# Altium PCB PCB1.PcbDoc (part 1 of 2)
Units mm, origin at the board's own origin, x right, y up, seen from the top; angles counter-clockwise.
Board outline 59.4 x 101.17 mm, 4 copper layers (Top Layer, Layer 1, Layer 2, Bottom Layer), stack 0.815 mm thick; 147 components, 75 nets, 963 pads, 627 vias.
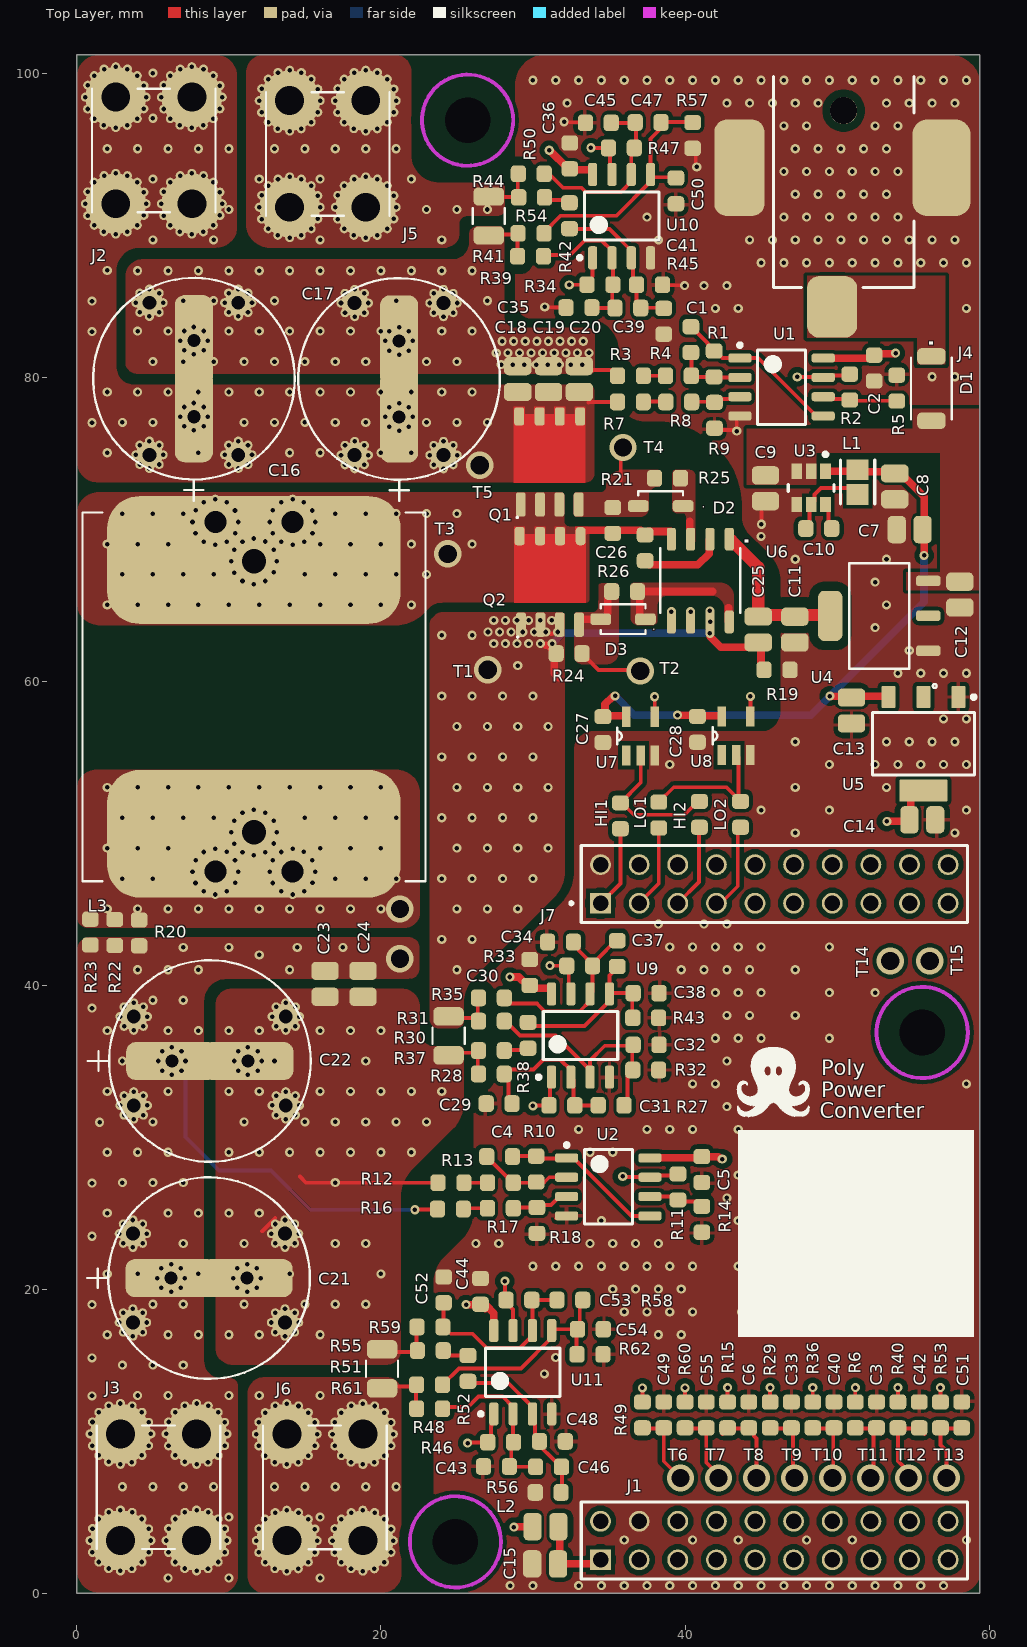
[diagram p0: Top Layer view]
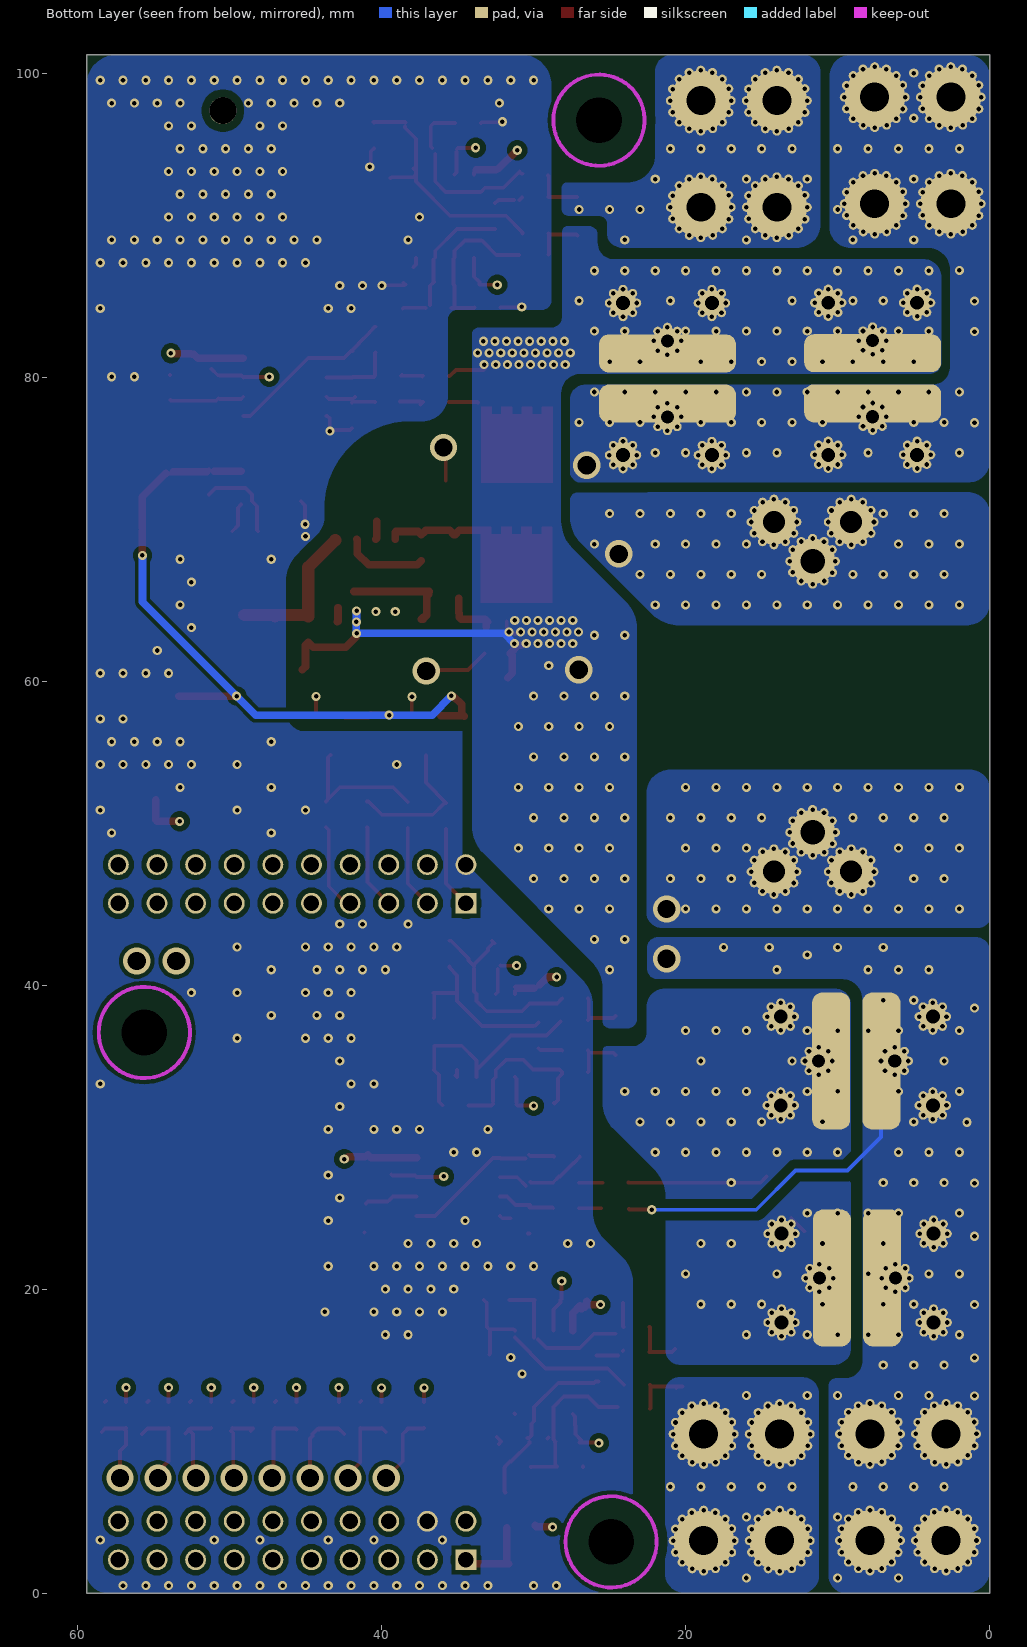
[diagram p1: Bottom Layer view, seen from below]
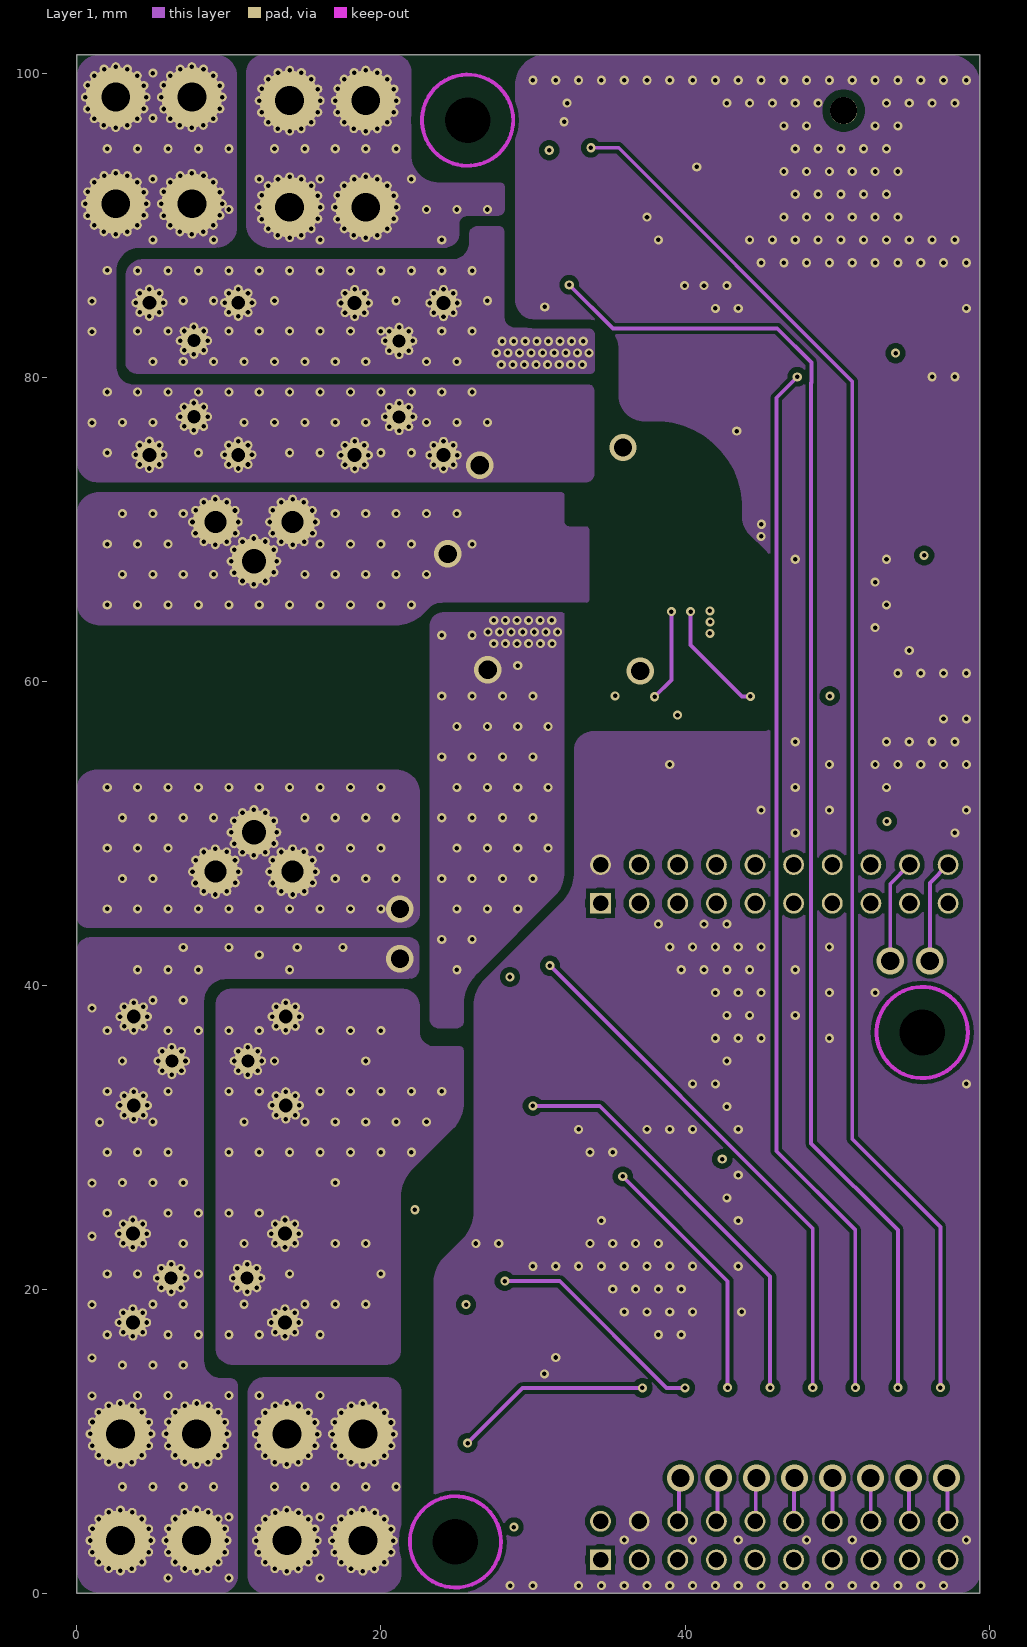
[diagram p2: Layer 1]
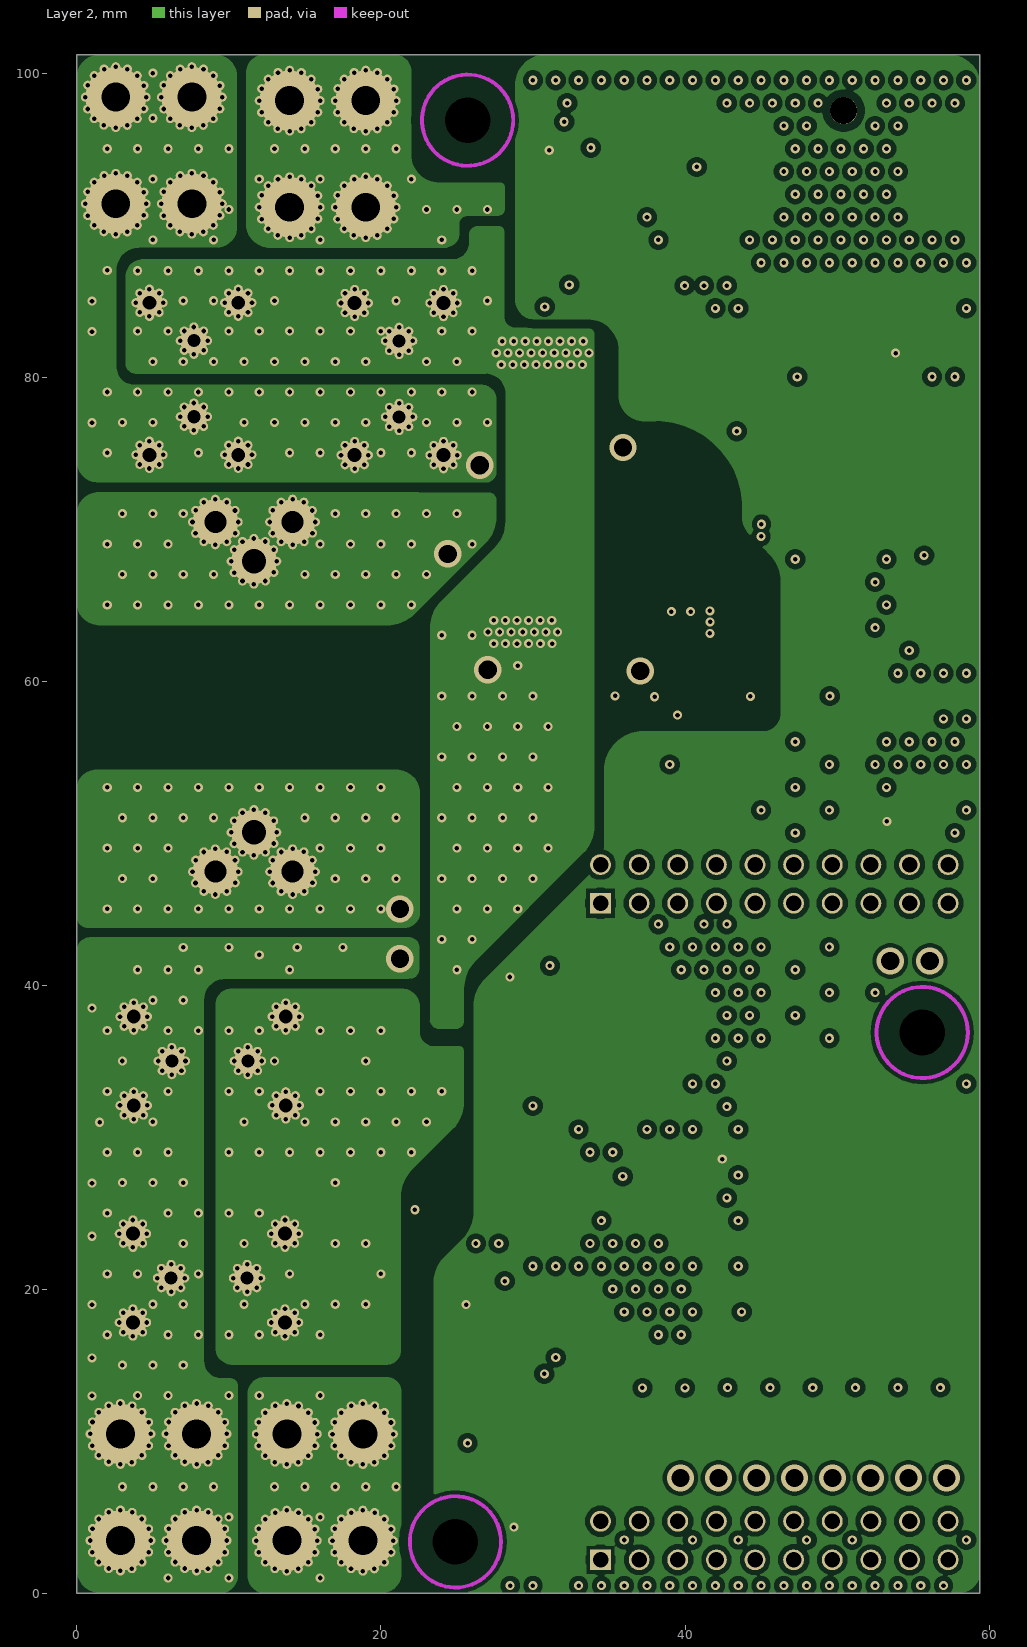
[diagram p3: Layer 2]

## Layer stack, top to bottom
Top Solder: solder mask 0.0102, Solder Resist, Dk 3.5
Top Layer: signal copper 0.07
Dielectric 4: prepreg 0.0711, PP-006, Dk 4.1
Layer 1: signal copper 0.035
Dielectric 2: prepreg 0.0711, PP-006, Dk 4.1
Dielectric 1: dielectric 0.32, FR-4, Dk 4.8
Dielectric 3: prepreg 0.0711, PP-006, Dk 4.1
Layer 2: signal copper 0.035
Dielectric 5: prepreg 0.0711, PP-006, Dk 4.1
Bottom Layer: signal copper 0.07
Bottom Solder: solder mask 0.0102, Solder Resist, Dk 3.5

## Board outline
59.4,101.2 59.4,0.025 0,0.025 0,101.2

## Design rules (kind name [scope] priority, off if disabled: settings)
Clearance "Schematic Clearance Constraint_12" [InNet('GND')] p1: gap=0.6 ignorepadtopadclearanceinfootprint=FALSE
Clearance "Schematic Clearance Constraint_11" [InNet('V4')] p2: gap=0.6 ignorepadtopadclearanceinfootprint=FALSE
Clearance "Schematic Clearance Constraint_10" [InNet('V1')] p3: gap=0.6 ignorepadtopadclearanceinfootprint=FALSE
Clearance "Schematic Clearance Constraint_9" [InNet('V2')] p4: gap=0.6 ignorepadtopadclearanceinfootprint=FALSE
Clearance "Schematic Clearance Constraint" [InNet('V3')] p5: gap=0.6 ignorepadtopadclearanceinfootprint=FALSE
Clearance "Stitching GND_AD" [IsStitchingVia and InNet('GND_AD') vs (IsVia and (Not IsStitchingVia)) Or IsPad] p6: gap=0.127 ignorepadtopadclearanceinfootprint=FALSE
Clearance "Schematic Clearance Constraint_3" [InNet('HO_2')] p7: gap=0.6 ignorepadtopadclearanceinfootprint=FALSE
Clearance "Schematic Clearance Constraint_1" [InNet('12V')] p8: gap=0.6 ignorepadtopadclearanceinfootprint=FALSE
Clearance "Schematic Clearance Constraint_6" [InNet('NetC26_1')] p9: gap=0.6 ignorepadtopadclearanceinfootprint=FALSE
Clearance "Schematic Clearance Constraint_5" [InNet('V2')] p10: gap=0.6 ignorepadtopadclearanceinfootprint=FALSE
Clearance "Schematic Clearance Constraint_8" [InNet('LO_1')] p11: gap=0.6 ignorepadtopadclearanceinfootprint=FALSE
Clearance "Schematic Clearance Constraint_7" [InNet('HS')] p12: gap=0.6 ignorepadtopadclearanceinfootprint=FALSE
Clearance "Schematic Clearance Constraint_4" [InNet('NetL3_1')] p13: gap=0.6 ignorepadtopadclearanceinfootprint=FALSE
Clearance "Schematic Clearance Constraint_2" [InNet('NetC24_1')] p14: gap=0.6 ignorepadtopadclearanceinfootprint=FALSE
Clearance "Schematic Clearance Constraint_20" [InNet('GND_P')] p15: gap=0.6 ignorepadtopadclearanceinfootprint=FALSE
Clearance "Schematic Clearance Constraint_19" [InNet('LO_2')] p16: gap=0.6 ignorepadtopadclearanceinfootprint=FALSE
Clearance "Schematic Clearance Constraint_18" [InNet('HO_1')] p17: gap=0.6 ignorepadtopadclearanceinfootprint=FALSE
Clearance "Stitching IL" [IsStitchingVia and InNet('IL') vs (IsVia and (Not IsStitchingVia)) Or IsPad] p18: gap=0.127 ignorepadtopadclearanceinfootprint=FALSE
Clearance [All] p19: gap=0.254 ignorepadtopadclearanceinfootprint=FALSE except(0.5: Arc-Via Arc-Hole Track-Via Track-Hole SMDPad-Via SMDPad-Hole THPad-Via THPad-Hole Via-Via Via-Hole Fill-Hole Poly-Hole Region-Hole Text-Hole)
ComponentClearance [All] p1: gap=0 collisioncheckmode=3 verticalgap=0 showdistances=FALSE
Height [All] p1: minheight=0 maxheight=50.8 prefheight=50.8
PolygonConnect [All] p1: connectstyle=Direct reliefconductorwidth=0.254 reliefentries=4 polygonreliefangle="90 Angle" airgapwidth=0.254
RoutingVias [All] p1: holewidth=0.3 width=0.6 viastyle="Through Hole" minholewidth=0.2 minwidth=0.4 maxholewidth=6.3 maxwidth=6.35
SolderMaskExpansion [All] p1: expansion=0.102 istentingtop=FALSE
Width [All] p1: maxlimit=2 minlimit=0.127 preferedwidth=0.254
28 further rules are at their usual default settings.

## Classes and differential pairs
component class "Voltage Regulators": C7 C8 C9 C10 C11 C12 C13 C14 C15 L1 L2 R19 U3 U4 U5
component class "Switches and Gate Driver": C16 C17 C18 C19 C20 C21 C22 C23 C24 C25 C26 C27 C28 D2 D3 L3 Q1 Q2 R20 R21 R22 R23 R24 R25 R26 U6 U7 U8
component class "Current Sensing": C29 C30 C31 C32 C33 C34 C35 C36 C37 C38 C39 C40 C41 C42 C43 C44 C45 C46 C47 C48 C49 C50 C51 C52 C53 C54 C55 R27 R28 R29 R30 R31 R32 R33 R34 R35 R36 R37 R38 R39 R40 R41 R42 R43 R44 R45 R46 R47 R48 R49 R50 R51 R52 R53 R54 R55 R56 R57 R58 R59 R60 R61 R62 U9 U10 U11
component class "Voltage Sensing": C1 C2 C3 C4 C5 C6 R1 R2 R3 R4 R5 R6 R7 R8 R9 R10 R11 R12 R13 R14 R15 R16 R17 R18 U1 U2
component class Connectors: D1 HI1 HI2 J1 J2 J3 J4 J5 J6 J7 LO1 LO2

## Components (designator, comment, footprint, x,y, rotation, side; value= is the part's Value field where it differs from the comment)
C1 "CC0603MRX7R8BB104" 0603 40.387,82.469 r90 top
C2 "CL10B105KA8NFNC" 0603 52.437,80.594 r270 top
C3 "CC0603MRX7R8BB104" 0603 52.6,11.75 r90 top
C4 "CC0603MRX7R8BB104" 0603 27.81,28.74 r0 top
C5 "CL10B105KA8NFNC" 0603 41.11,27.891 r270 top
C6 "CC0603MRX7R8BB104" 0603 44.2,11.75 r90 top
C7 "CL21A226MAYNNNE" 0805 54.775,69.975 r90 top
C8 "CL21A226MAYNNNE" 0805 53.795,72.816 r180 top
C9 "TMK212BBJ106KG-T" 0805 45.295,72.691 r180 top
C10 "CC0603MRX7R8BB104" 0603 48.795,70.041 r180 top
C11 "TMK212BBJ106KG-T" 0805 47.225,63.4 r180 top
C12 "CL21A226MAYNNNE" 0805 58.075,65.7 r180 top
C13 "TMK212BBJ106KG-T" 0805 50.95,58.075 r180 top
C14 "TMK212BBJ106KG-T" 0805 55.606,50.886 r270 top
C15 "TMK212BBJ106KG-T" 0805 30.8,1.95 r90 top
C16 "100ZLJ82M10X16" CAP_YX_10X16_RUB 7.7,77.4 r90 top
C17 "100ZLJ82M10X16" CAP_YX_10X16_RUB 21.196,77.382 r90 top
C18 "C2012X5R2A475K125AC" 0805 29,79.875 r0 top
C19 "C2012X5R2A475K125AC" 0805 31.025,79.875 r0 top
C20 "C2012X5R2A475K125AC" 0805 33.05,79.875 r0 top
C21 "100ZLJ82M10X16" CAP_YX_10X16_RUB 6.2,20.75 r0 top
C22 "100ZLJ82M10X16" CAP_YX_10X16_RUB 6.25,35.025 r0 top
C23 "GRM21BD72A225ME01L" 0805 16.325,40.1 r180 top
C24 "GRM21BD72A225ME01L" 0805 18.825,40.1 r180 top
C25 "TMK212BBJ106KG-T" 0805 44.815,63.403 r180 top
C26 "CL10B105KA8NFNC" 0603 37.375,68.775 r90 top
C27 "CL10B105KA8NFNC" 0603 34.6,56.825 r270 top
C28 "CL10B105KA8NFNC" 0603 40.816,56.838 r270 top
C29 "06031C101KAT2A" 0603 27.775,32.225 r0 top
C30 "CL10B105KA8NFNC" 0603 29.786,40.851 r90 top
C31 "06031C101KAT2A" 0603 35.141,32.113 r0 top
C32 "06031C101KAT2A" 0603 37.441,36.088 r0 top
C33 "CC0603MRX7R8BB104" 0603 47,11.75 r90 top
C34 "06031C101KAT2A" 0603 31.811,42.851 r0 top
C35 "06031C101KAT2A" 0603 33.025,84.575 r0 top
C36 "CL10B105KA8NFNC" 0603 32.425,94.55 r90 top
C37 "06031C101KAT2A" 0603 35.541,42.088 r270 top
C38 "06031C101KAT2A" 0603 37.441,39.488 r0 top
C39 "06031C101KAT2A" 0603 36.24,84.547 r0 top
C40 "CC0603MRX7R8BB104" 0603 49.8,11.75 r90 top
C41 "06031C101KAT2A" 0603 37.665,86.072 r0 top
C42 "CC0603MRX7R8BB104" 0603 55.4,11.75 r90 top
C43 "06031C101KAT2A" 0603 27.6,8.358 r0 top
C44 "CL10B105KA8NFNC" 0603 26.55,19.875 r90 top
C45 "06031C101KAT2A" 0603 34.3,96.725 r0 top
C46 "06031C101KAT2A" 0603 31.025,8.333 r0 top
C47 "06031C101KAT2A" 0603 37.575,96.75 r0 top
C48 "06031C101KAT2A" 0603 31.275,10.008 r0 top
C49 "CC0603MRX7R8BB104" 0603 38.6,11.75 r90 top
C50 "06031C101KAT2A" 0603 39.4,92.25 r270 top
C51 "CC0603MRX7R8BB104" 0603 58.2,11.75 r90 top
C52 "06031C101KAT2A" 0603 24.125,19.975 r270 top
C53 "06031C101KAT2A" 0603 32.425,19.308 r0 top
C54 "06031C101KAT2A" 0603 33.775,17.383 r0 top
C55 "CC0603MRX7R8BB104" 0603 41.4,11.75 r90 top
D1 "CMS01(TE12L,Q,M)" M-FLAT_TOS 56.2,79.25 r270 top
D2 "PMEG3010EH" SOD123F_NXP 38.4,71.525 r180 top
D3 "PMEG3010EH" SOD123F_NXP 35.926,64.083 r180 top
HI1 "AC0603FR-070RL" 0603 35.75,51.15 r270 top
HI2 "AC0603FR-070RL" 0603 40.95,51.25 r270 top
J1 "MTSW-110-10-L-D-310" SAMTEC_MTSW-110-10-L-D-310 34.445,2.22 r0 top
J2 "7691" CONN_8191_KEY 2.561,91.404 r90 top
J3 "7691" CONN_8191_KEY 2.871,3.49 r90 top
J4 "RASM722PTR13X" FP-RASM722PTR13X-MFG 50.435,93.275 r180 top
J5 "7691" CONN_8191_KEY 14,91.175 r90 top
J6 "7691" CONN_8191_KEY 13.811,3.481 r90 top
J7 "MTSW-110-10-L-D-310" SAMTEC_MTSW-110-10-L-D-310 34.445,45.4 r0 top
L1 "MLZ2012M4R7WT000" FP-MLZ2012-0_85-IPC_B 51.35,73.1 r90 top
L2 "MLZ2012DR47DT000" 0805 30.825,4.4 r90 top
L3 "PA4349.683ANLT" IND_PA4349.683ANLT_PUL 11.65,58.975 r90 top
LO1 "AC0603FR-070RL" 0603 38.275,51.2 r270 top
LO2 "AC0603FR-070RL" 0603 43.65,51.25 r270 top
Q1 "TPH9R00CQH,LQ" INF-PG-TDSON-8-1_V#1 31.1,74.624 r0 top
Q2 "TPH9R00CQH,LQ" INF-PG-TDSON-8-1_V#2 31.125,66.75 r0 top
R1 "RT0603FRE0744K2L" 0603 41.912,80.869 r90 top
R2 "AC0603FR-070RL" 0603 50.837,79.344 r90 top
R3 "ERJ3EKF3303V" 0603 36.412,80.088 r0 top
R4 "ERJ3EKF3303V" 0603 39.562,80.088 r0 top
R5 "AC0603FR-070RL" 0603 53.925,79.275 r270 top
R6 "RMCF0603JT10R0" 0603 51.2,11.75 r270 top
R7 "ERJ3EKF3303V" 0603 36.412,78.369 r0 top
R8 "ERJ3EKF3303V" 0603 39.587,78.369 r0 top
R9 "RT0603FRE0744K2L" 0603 41.937,77.494 r90 top
R10 "RT0603FRE0744K2L" 0603 30.21,27.915 r90 top
R11 "AC0603FR-070RL" 0603 39.535,26.741 r90 top
R12 "ERJ3EKF3303V" 0603 24.61,27.016 r0 top
R13 "ERJ3EKF3303V" 0603 27.86,27.016 r0 top
R14 "AC0603FR-070RL" 0603 41.11,24.616 r90 top
R15 "RMCF0603JT10R0" 0603 42.8,11.75 r270 top
R16 "ERJ3EKF3303V" 0603 24.574,25.291 r0 top
R17 "ERJ3EKF3303V" 0603 27.86,25.341 r0 top
R18 "RT0603FRE0744K2L" 0603 30.26,24.54 r90 top
R19 "AC0603FR-070RL" 0603 46.05,60.75 r180 top
R20 "AC0603FR-070RL" 0603 4.1,43.45 r270 top
R21 "RNCP0603FTD10K0" 0603 35.25,70.575 r90 top
R22 "AC0603FR-070RL" 0603 2.5,43.475 r270 top
R23 "AC0603FR-070RL" 0603 0.891,43.5 r270 top
R24 "RNCP0603FTD10K0" 0603 32.375,61.825 r0 top
R25 "RMCF0603JT10R0" 0603 38.85,73.35 r180 top
R26 "RMCF0603JT10R0" 0603 36.025,65.9 r180 top
R27 "ERJ3EKF3303V" 0603 31.903,32.108 r180 top
R28 "RNCP0603FTD10K0" 0603 27.268,34.176 r0 top
R29 "RMCF0603JT10R0" 0603 45.6,11.75 r270 top
R30 "LVT12R0050FER" RES_LVT12_004-020_OHM 24.45,36.683 r270 top
R31 "RNCP0603FTD10K0" 0603 27.268,37.651 r0 top
R32 "ERJ3EKF3303V" 0603 37.416,34.438 r180 top
R33 "ERJ3EKF3303V" 0603 33.073,41.281 r180 top
R34 "ERJ3EKF3303V" 0603 34.406,86.083 r180 top
R35 "RNCP0603FTD10K0" 0603 27.268,39.176 r0 top
R36 "RMCF0603JT10R0" 0603 48.4,11.75 r270 top
R37 "RNCP0603FTD10K0" 0603 27.268,35.712 r0 top
R38 "AC0603FR-070RL" 0603 29.68,36.714 r90 top
R39 "RNCP0603FTD10K0" 0603 29.84,87.947 r0 top
R40 "RMCF0603JT10R0" 0603 54,11.75 r270 top
R41 "LVT12R0050FER" RES_LVT12_004-020_OHM 27.099,90.599 r270 top
R42 "AC0603FR-070RL" 0603 32.403,90.616 r270 top
R43 "ERJ3EKF3303V" 0603 37.416,37.863 r180 top
R44 "RNCP0603FTD10K0" 0603 29.912,91.823 r0 top
R45 "ERJ3EKF3303V" 0603 38.6,83.675 r90 top
R46 "ERJ3EKF3303V" 0603 27.875,9.958 r180 top
R47 "ERJ3EKF3303V" 0603 35.815,95.072 r180 top
R48 "RNCP0603FTD10K0" 0603 23.2,12.158 r0 top
R49 "RMCF0603JT10R0" 0603 37.2,11.75 r270 top
R50 "RNCP0603FTD10K0" 0603 29.888,93.374 r0 top
R51 "LVT12R0050FER" RES_LVT12_004-020_OHM 20.075,14.783 r270 top
R52 "AC0603FR-070RL" 0603 25.722,14.808 r270 top
R53 "RMCF0603JT10R0" 0603 56.8,11.75 r270 top
R54 "RNCP0603FTD10K0" 0603 29.874,89.456 r0 top
R55 "RNCP0603FTD10K0" 0603 23.25,15.983 r0 top
R56 "ERJ3EKF3303V" 0603 31.002,6.654 r0 top
R57 "ERJ3EKF3303V" 0603 40.5,95.9 r90 top
R58 "ERJ3EKF3303V" 0603 29.075,19.308 r180 top
R59 "RNCP0603FTD10K0" 0603 23.225,17.533 r0 top
R60 "RMCF0603JT10R0" 0603 40,11.75 r270 top
R61 "RNCP0603FTD10K0" 0603 23.2,13.733 r0 top
R62 "ERJ3EKF3303V" 0603 33.75,15.733 r180 top
U1 "NCV2904DR2G" ONSC-SOIC-8-751-07_V 46.35,79.35 r0 top
U2 "NCV2904DR2G" ONSC-SOIC-8-751-07_V 34.955,26.745 r0 top
U3 "AP63205WU-7" FP-TSOT26-MFG 48.291,72.719 r270 top
U4 "NCP1117ST12T3G" SOT223-3_ONS 52.775,64.3 r90 top
U5 "LM1117MPX-33NOPB" DCY0004A_L 55.681,55.886 r270 top
U6 "UCC27211DR" D8 41.006,66.623 r270 top
U7 "74LVC1G17W5-7" SOT95P280X145-5N 37.085,56.395 r90 top
U8 "74LVC1G17W5-7" SOT95P280X145-5N 43.366,56.413 r90 top
U9 "MC33272ADR2G" ONSC-SOIC-8-751-07_V 33.126,36.703 r90 top
U10 "MC33272ADR2G" ONSC-SOIC-8-751-07_V 35.832,90.589 r90 top
U11 "MC33272ADR2G" ONSC-SOIC-8-751-07_V 29.327,14.554 r90 top
